# Altium PCB CM_PCB.PcbDoc (part 5 of 7)
Units mil, origin at the board's own origin, x right, y up, seen from the top; angles counter-clockwise.
Board outline 6478 x 5255 mil, 14 copper layers (Top Layer, GND1, HS1, GND2, DIFF_SE1, GND3, POWER1, POWER2, GND4, DIFF_SE2, GND5, HS2, GND6, Bottom Layer), stack 76.1 mil thick; 327 components, 386 nets, 2198 pads, 830 vias.
Unrouted connection lines stored in the file: 392.
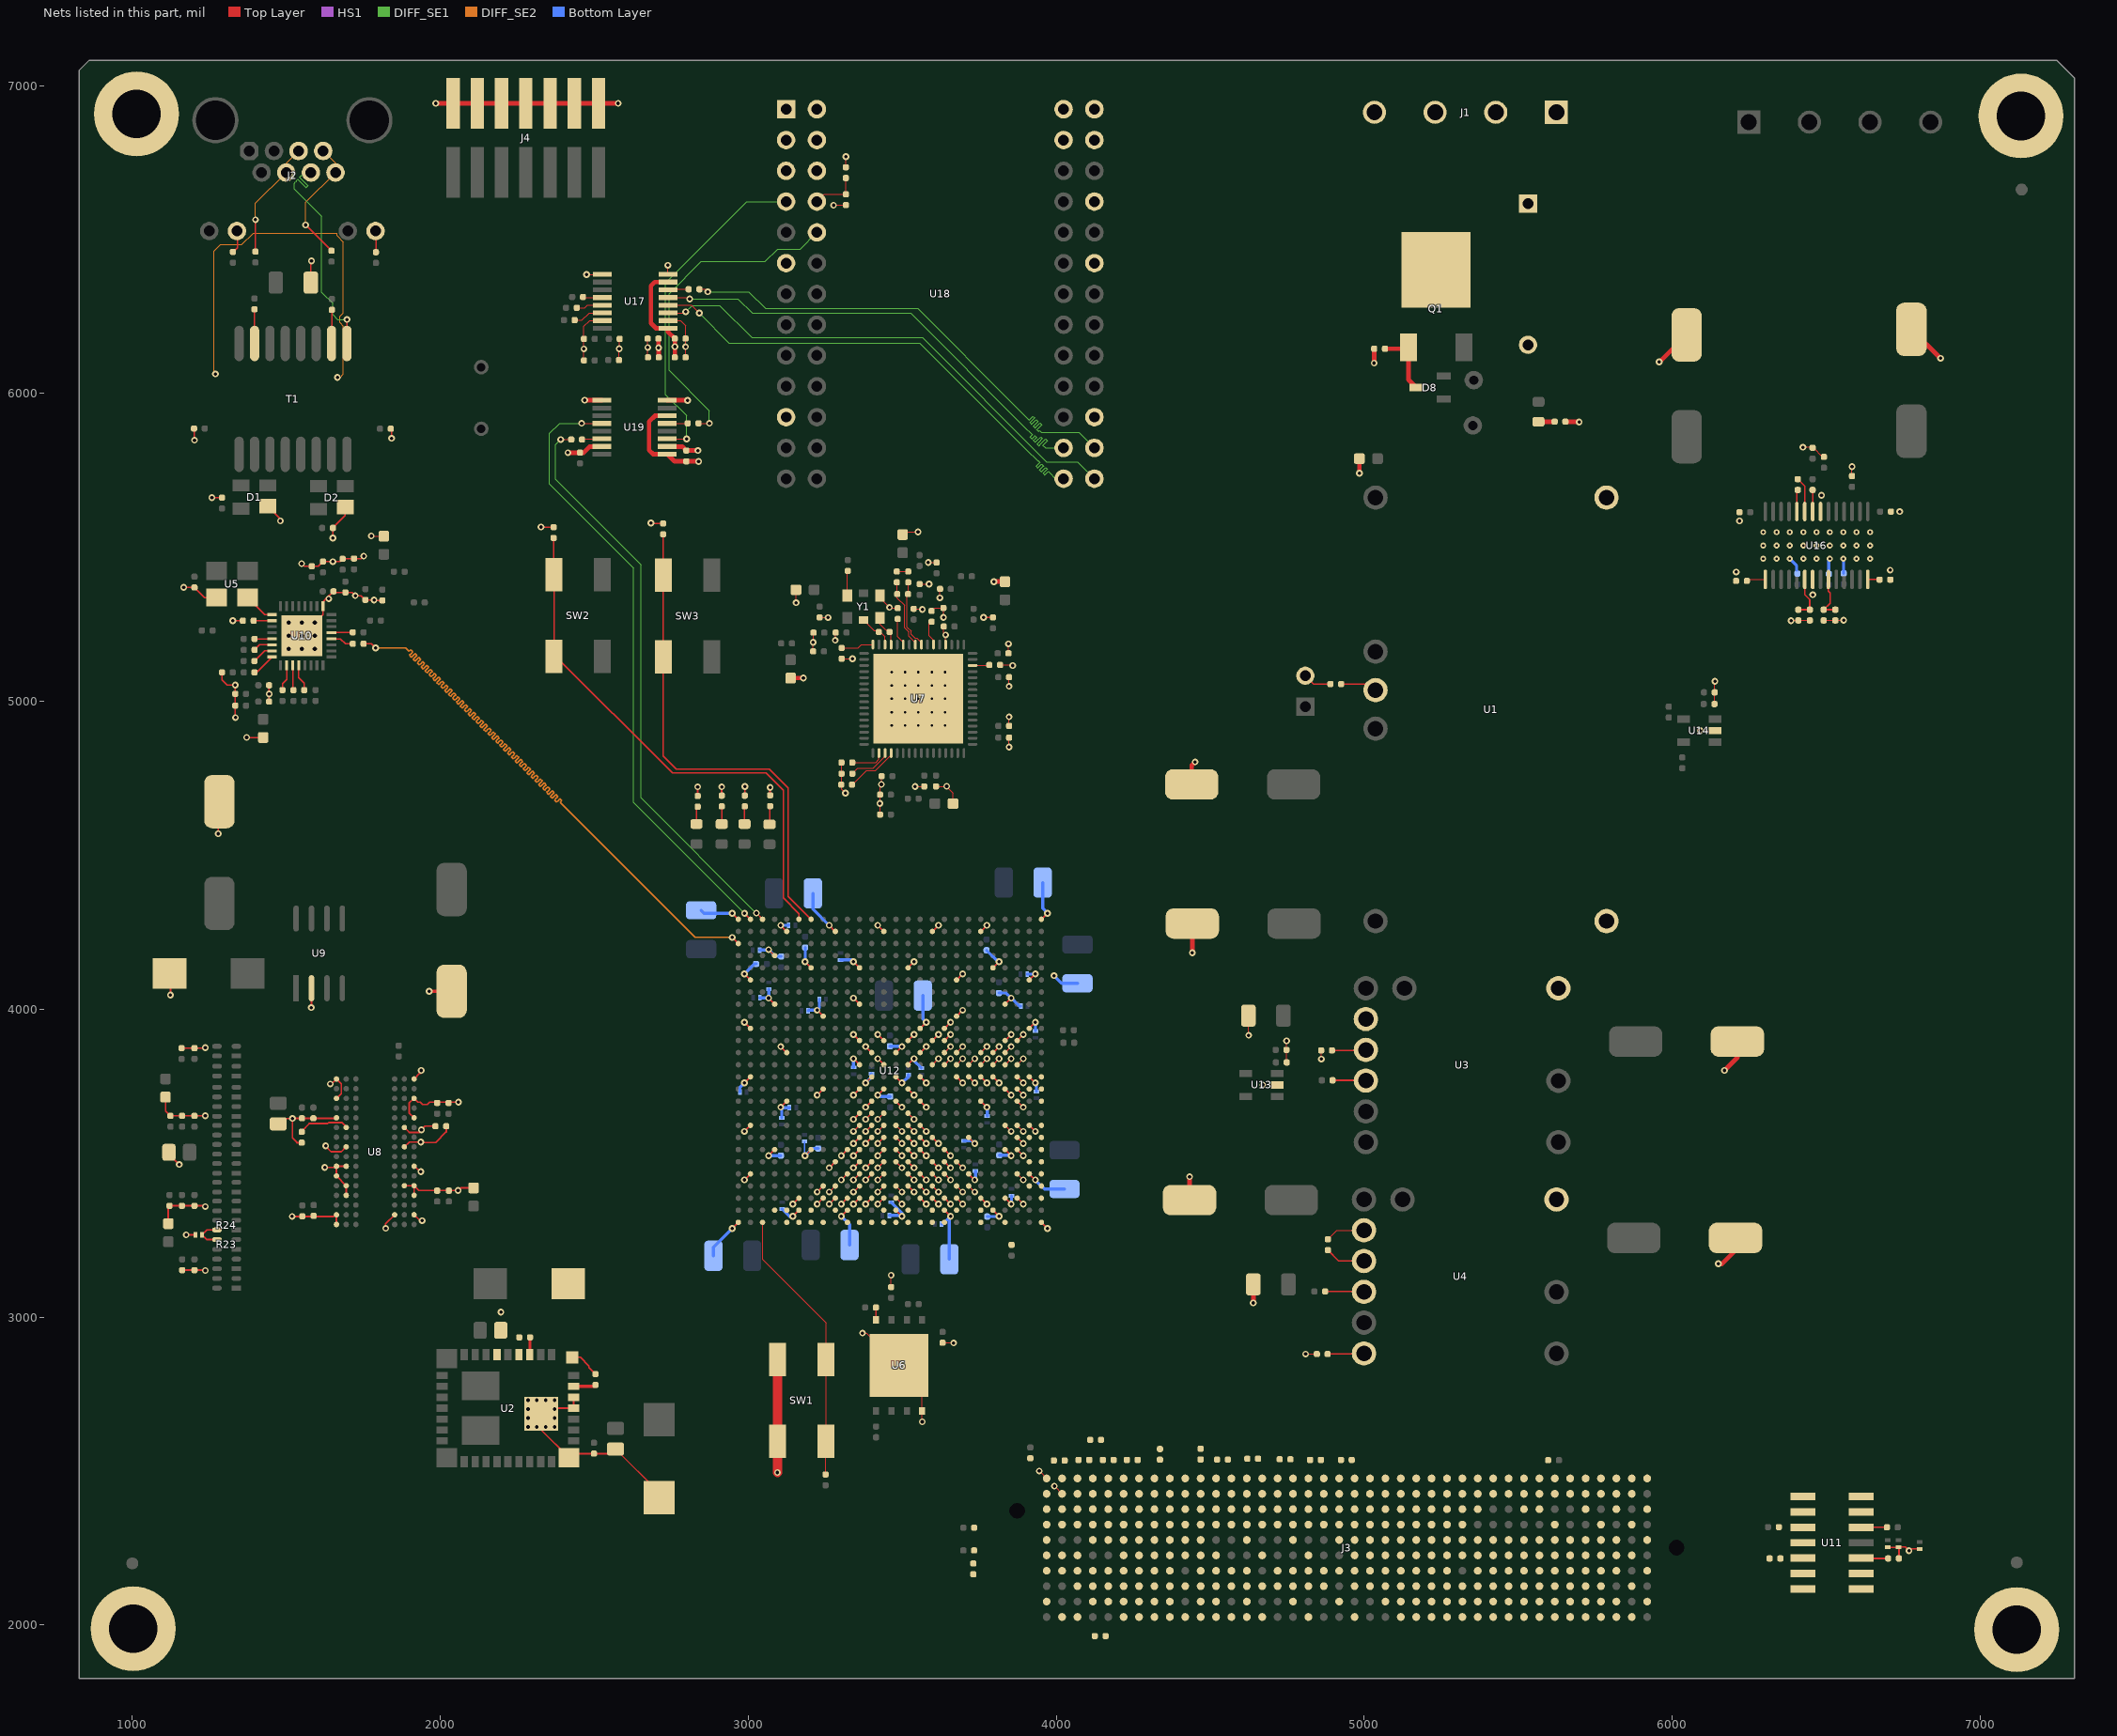
[diagram p17: the nets of this part, all layers, seen from the top]

## Via types
v1: diameter 22, hole 11, Top Layer to Bottom Layer, 627 vias
v2: diameter 22, hole 11, Top Layer to Bottom Layer, tented top, 139 vias
v3: diameter 19.68, hole 7.87, Top Layer to Bottom Layer, tented top, 27 vias
v4: diameter 19.68, hole 7.87, Top Layer to Bottom Layer, 25 vias
v5: diameter 19.68, hole 11.81, Top Layer to Bottom Layer, 12 vias

## Nets (pads, with @x,y where several pads share a name; then routed paths per layer and width w, separated by ;. In a path a pad name is that pad's centre, name@x,y a point inside that pad or via, vN(x,y) a via of type N, cw(c..) or ccw(c..) an arc to the next point about the centre after c; other vN are vias at no path point) (continued)
FPGA_RS232_RXD: U12.A2 U19.12 | length 2031.8
  Top Layer w3: v1(2459,5903) 2459.5,5902.5 U19.12@2524.7,5902.5
  Top Layer w5.5: v1(2988.11,4311) U12.A2@3007.19,4291.92
  DIFF_SE1 w3: v1(2459,5903) 2388,5903 2355,5870 2355,5706 2628,5433 2628,4671.11 v1(2988.11,4311)
FPGA_RS232_TXD: R124.2 U12.A3 | length 1877.4
  Top Layer w3: v1(2391,5850) R124.2@2425.5,5850
  Top Layer w5.5: v1(3026.48,4312) U12.A3@3046.56,4291.92
  DIFF_SE1 w3: v1(2391,5850) 2375,5834 2375,5721 2652,5444 2652,4686.48 v1(3026.48,4312)
FTDI_3V3: C167.2 C168.2 C169.2 C170.2 C171.2 U17.1 U17.7 U18.CN2-1 U18.CN2-3 U18.CN2-5 U18.CN2-11 U18.CN2-21 U18.CN3-12 U18.CN3-22 U19.1 U19.6 | length 744.1
  Top Layer w15: C169.2@2708.5,6178 2708.5,6148.5 v1(2709,6148) C168.2@2709,6117.5 ; U19.6@2737.3,5927.5 2697.5,5927.5 2678,5908 2678,5816 2691.5,5802.5 U19.1@2737.3,5802.5 2760.3,5779.5 C167.2@2799,5779.5 2838.5,5779.5 v1(2839,5779) ; U17.7@2739.3,6361.5 2696.5,6361.5 2684,6349 2684,6228 2700.5,6211.5 U17.1@2739.3,6211.5 2739.3,6200.2 C171.2@2761.5,6178 2762,6177.5 v1(2762,6152) 2762,6117.5 C170.2@2761.5,6117
FTDI_5V0: R123.1 U18.CN3-1 U18.CN3-3 | length 34.5
  Top Layer w3: R123.1@3317,6734.5 v1(3317,6769)
FTDI_GND: C167.1 C168.1 C169.1 C170.1 C171.1 R126.1 U17.2 U17.8 U18.CN2-2 U18.CN2-4 U18.CN2-6 U18.CN3-2 U18.CN3-4 U18.CN3-8 U19.2 U19.8 | length 467.8
  Top Layer w3: C169.1@2673.5,6178 2673.5,6149.5 v1(2674,6149) C168.1@2674,6117.5 ; v1(2739,6416) 2739.3,6415.7 U17.8@2739.3,6386.5 ; U17.2@2739.3,6236.5 2779.5,6236.5 2796.5,6219.5 C171.1@2796.5,6178 v1(2796.5,6151.5) C170.1@2796.5,6117 ; v1(3277,6611) 3277.5,6611.5 R126.1@3317,6611.5
  Top Layer w15: U19.2@2737.3,5827.5 2786,5827.5 C167.1@2799,5814.5 v1(2836.5,5814.5) ; U19.8@2737.3,5977.5 2802.5,5977.5 v1(2803,5977)
FTDI_JTAG_TCK: U17.3 U18.CN3-26 | length 1628.2
  Top Layer w3: U17.3@2739.3,6261.5 2793.5,6261.5 v1(2797,6265)
  DIFF_SE1 w3: v1(2797,6265) 2818,6286 2907,6286 3012,6181 3566,6181 3969,5778 4069.18,5778 U18.CN3-26@4124.18,5723
FTDI_JTAG_TDI: U17.4 U18.CN3-25 | length 1629.5
  Top Layer w3: U17.4@2739.3,6286.5 2815.5,6286.5 v1(2841,6261)
  DIFF_SE1 w3: v1(2841,6261) 2938,6164 3557,6164 3902,5819 3940.73,5780.27 3941.79,5781.33 3947.45,5775.67 3946.39,5774.61 3934.68,5762.91 3940.34,5757.25 3952.04,5768.96 3953.1,5770.02 3958.76,5764.36 3957.7,5763.3 3946,5751.59 3951.65,5745.94 3963.36,5757.64 3965.44,5759.73 3971.1,5754.07 3969.01,5751.99 3957.31,5740.28 3962.97,5734.62 3974.67,5746.33 3977.5,5743.5 3998,5723 U18.CN3-25@4024.18,5723
FTDI_JTAG_TDO: R122.1 U18.CN3-24 | length 1628.2
  Top Layer w3: R122.1@2841.5,6338 2861,6338 v1(2869,6330)
  DIFF_SE1 w3: v1(2869,6330) 3002,6330 3056,6276 3550,6276 3860.5,5965.5 3912.23,5913.77 3924.49,5926.03 3930.14,5920.37 3917.89,5908.11 3914.56,5904.79 3920.22,5899.13 3923.54,5902.46 3935.8,5914.71 3941.46,5909.06 3929.2,5896.8 3925.87,5893.47 3931.53,5887.82 3934.86,5891.14 3947.11,5903.4 3952.77,5897.74 3940.51,5885.49 3937.19,5882.16 3942.84,5876.5 3946.17,5879.83 3949,5877 3952,5874 4073.18,5874 U18.CN3-24@4124.18,5823
FTDI_JTAG_TMS: U17.5 U18.CN3-23 | length 1628.2
  Top Layer w3: U17.5@2739.3,6311.5 2805.5,6311.5 v1(2810,6307)
  DIFF_SE1 w3: v1(2810,6307) 2967,6307 3013,6261 3527,6261 3894.5,5893.5 3922.57,5865.43 3915.22,5858.07 3920.87,5852.41 3928.23,5859.77 3930.88,5862.41 3936.53,5856.76 3933.89,5854.11 3926.53,5846.76 3932.19,5841.1 3939.54,5848.46 3949.9,5858.81 3955.55,5853.15 3945.2,5842.8 3937.84,5835.44 3943.5,5829.79 3950.86,5837.14 3965.64,5851.93 3971.3,5846.27 3956.51,5831.49 3962.17,5825.83 3965,5823 U18.CN3-23@4024.18,5823
FTDI_RS232_RXD: R125.1 U18.CN2-10 | length 1072.6
  Top Layer w3: R125.1@2838.5,5903 v1(2874,5903)
  DIFF_SE1 w3: v1(2874,5903) 2874,5944 2743,6075 2743,6323 2848,6428 3055,6428 3096,6469 3169,6469 U18.CN2-10@3223,6523
FTDI_RS232_TXD: U18.CN2-7 U19.3 | length 1098.4
  Top Layer w3: U19.3@2737.3,5852.5 2799.5,5852.5 v1(2800,5852)
  DIFF_SE1 w3: v1(2800,5852) 2800,5928 2732,5996 2732,6359 2996,6623 U18.CN2-7@3123,6623
GND: C1.1 C2.1 C3.1 C4.1 C5.2 C6.2 C7.2 C8.1 C9.2 C10.1 C11.2 C12.1 C13.1 C14.1 C15.1 C16.1 C17.1 C18.1 C19.1 C20.1 C21.1 C22.1 C23.1 C24.1 C25.1 C26.1 C28.1 C29.1 C30.1 C31.1 C32.1 C33.1 C34.1 C35.1 C36.1 C37.1 C38.1 C39.1 C40.1 C41.1 C42.1 C43.1 C44.1 C45.1 C46.1 C47.1 C60.1 C61.1 C62.1 C63.1 C66.1 C67.1 C68.1 C69.1 C72.1 C74.1 C75.1 C76.2 C77.2 C78.1 C79.1 C80.1 C81.1 C82.1 C83.1 C84.1 C85.1 C86.1 C87.1 C88.1 C89.1 C90.1 C91.1 C92.1 C93.1 C94.1 C96.1 C97.1 C98.1 C100.1 C101.1 C102.1 C103.1 C104.1 C105.1 C106.1 C107.1 C108.1 C109.1 C110.1 C111.1 C112.1 C113.1 C114.1 C115.1 C116.1 C117.1 C118.1 C119.1 C120.1 C121.1 C122.1 C123.1 C124.1 C125.1 C126.1 C127.1 C128.1 C129.1 C130.1 C131.1 C132.1 C133.1 C134.1 C135.1 C136.1 C137.1 C138.1 C139.1 C140.1 C141.1 C142.1 C143.1 C144.1 C145.1 C146.1 C147.1 C148.1 C149.1 C150.1 C151.1 C152.1 C153.1 C154.1 C155.2 C156.1 C157.2 C158.1 C159.1 C160.1 C161.1 C164.1 C165.2 C166.2 C172.1 C173.1 C174.1 C175.1 C176.1 C177.1 C178.1 C179.1 C180.1 C181.1 C182.1 C183.1 C184.1 C185.1 D1.1 D2.1 F2.2 J1.3 J1.4 J3.a1 J3.a4 J3.a5 J3.a8 J3.a9 J3.a12 J3.a13 J3.a16 J3.a17 J3.a20 J3.a21 J3.a24 J3.a25 J3.a28 J3.a29 J3.a32 J3.a33 J3.a36 J3.a37 J3.a40 J3.b2 J3.b3 J3.b6 J3.b7 J3.b10 J3.b11 J3.b14 J3.b15 J3.b18 J3.b19 J3.b22 J3.b23 J3.b26 J3.b27 J3.b30 J3.b31 J3.b34 J3.b35 J3.b38 J3.b39 J3.c1 J3.c4 J3.c5 J3.c8 J3.c9 J3.c12 J3.c13 J3.c16 J3.c17 J3.c20 J3.c21 J3.c24 J3.c25 J3.c28 J3.c29 J3.c32 J3.c33 J3.c36 J3.c38 J3.c40 J3.d2 J3.d3 J3.d6 J3.d7 J3.d10 J3.d13 J3.d16 J3.d19 J3.d22 J3.d25 J3.d28 J3.d37 J3.d39 J3.e1 J3.e4 J3.e5 J3.e8 J3.e11 J3.e14 J3.e17 J3.e20 J3.e23 J3.e26 J3.e29 J3.e32 J3.e35 J3.e38 J3.e40 J3.f2 J3.f3 J3.f6 J3.f9 J3.f12 J3.f15 J3.f18 J3.f21 J3.f24 J3.f27 J3.f30 J3.f33 J3.f36 J3.f39 J3.g1 J3.g4 J3.g5 J3.g8 J3.g11 J3.g14 J3.g17 J3.g20 J3.g23 J3.g26 J3.g29 J3.g32 J3.g35 J3.g38 J3.g40 J3.h3 J3.h6 J3.h9 J3.h12 J3.h15 J3.h18 J3.h21 J3.h24 J3.h27 J3.h30 J3.h33 J3.h36 J3.h39 J3.j1 J3.j4 J3.j5 J3.j8 J3.j11 J3.j14 J3.j17 J3.j20 J3.j23 J3.j26 J3.j29 J3.j32 J3.j35 J3.j38 J3.j40 J3.k2 J3.k3 J3.k6 J3.k9 J3.k12 J3.k15 J3.k18 J3.k21 J3.k24 J3.k27 J3.k30 J3.k33 J3.k36 J3.k39 J4.A01 J4.A02 J4.A03 J4.A04 J4.A05 J4.A06 J4.A07 MH3.1 MH7.1 MH8.1 R1.1 R3.1 R6.1 R7.1 R8.1 R11.1 R12.1 R16.2 R17.2 R18.2 R20.1 R44.1 R47.1 R73.1 R77.1 R87.1 R88.1 R103.1 R104.1 R105.1 R109.1 R110.1 R111.1 R112.1 R113.1 R114.1 R115.2 R116.1 R117.1 R118.2 SW1.1 SW1.4 U1.1 U1.7 U2.1 U2.5 U2.7 U2.29 U2.33 U2.34 U2.37 U3.3 U3.6 U4.3 U4.6 U5.2 U6.0 U6.4 U7.36 U7.PAD U8.A9 U8.B1 U8.B3 U8.B9 U8.D1 U8.D8 U8.E1 U8.E2 U8.E8 U8.F9 U8.G1 U8.G8 U8.G9 U8.J2 U8.J8 U8.M1 U8.M9 U8.P1 U8.P9 U8.T1 U8.T9 U9.2 U10.1 U10.33 U10.34 U10.35 U10.36 U10.37 U10.38 U10.39 U10.40 U10.41 U10.42 U11.11 U12.A1 U12.A26 U12.AB2 U12.AB12 U12.AB16 U12.AB20 U12.AB25 U12.AC8 U12.AD16 U12.AD23 U12.AE6 U12.AE10 U12.AE14 U12.AE18 U12.AE22 U12.AF1 U12.AF26 U12.B5 U12.B9 U12.B13 U12.B17 U12.B21 U12.D4 U12.E7 U12.E11 U12.E15 U12.E22 U12.F2 U12.F19 U12.F25 U12.H4 U12.H11 U12.H23 U12.J8 U12.J19 U12.K2 U12.K16 U12.K25 U12.L11 U12.L13 U12.L15 U12.M5 U12.M12 U12.M14 U12.M16 U12.M22 U12.N11 U12.N13 U12.N15 U12.P2 U12.P12 U12.P14 U12.P16 U12.P19 U12.P25 U12.R8 U12.R11 U12.R13 U12.R15 U12.T5 U12.T12 U12.T14 U12.T16 U12.T21 U12.U11 U12.V2 U12.V25 U12.W15 U12.W20 U12.Y4 U12.Y7 U12.Y11 U12.Y23 U13.2 U14.2 U16.7 U16.21 U17.9 U17.15 U19.9 U19.15 Y1.3 | length 15932.4
  Top Layer w3: v1(1776,5537) 1776.5,5536.5 C79.1@1817,5536.5 ; C174.1@2466.5,6107 v1(2466.5,6144.5) C176.1@2466.5,6177 2466.5,6217.5 2485.5,6236.5 U17.15@2526.7,6236.5 ; v1(2475,6386) 2475.5,6386.5 U17.9@2526.7,6386.5 ; C173.1@2580.5,6108 2580.5,6144.5 v1(2581,6145) 2582.5,6146.5 C175.1@2582.5,6177 ; v1(3095,2495) v1@3095.26,2495.26 ; C44.1@3155,5362 3155,5320.5 v1(3155.5,5320) ; C33.1@3211,5162 v1(3211,5191.5) ; v1@3212,5192.5 C34.1@3212,5223 ; C43.1@3231.5,5272.5 3259,5272.5 v1(3259.5,5272) ; v1(3282.5,5198) 3284,5199.5 C32.1@3284,5223 ; R17.2@3303,4801 R16.2@3303,4765 3303,4714.5 v1(3315.5,4702) ; C45.1@3303.5,5138.5 3338,5138.5 v1(3338.5,5138) ; v1(3371,2948) 3385,2948 U6.0@3490,2843 3565,2768 U6.4@3565,2695.36 v1(3565,2660) ; Y1.3@3427.8,5343.31 3427.8,5335.7 v1(3458.5,5305) 3461,5302.5 R18.2@3485.5,5302.5 ; C38.1@3428,4632 3428,4667.5 v1(3427.5,4668) 3428,4668.5 C37.1@3428,4697 v1@3428,4725.5 ; v1(3432.5,4730) 3433,4730.5 C36.1@3433,4757 ; R113.1@3464,3097.5 v1(3464,3136) ; C39.1@3501.5,5533.5 3518,5550 v1(3551.5,5550) ; C40.1@3537.5,5300.5 3563,5300.5 v1(3565.5,5298) ; v1(3542,4723.5) C20.1@3571.5,4723.5 ; C41.1@3556.5,5380.5 v1(3587,5380.5) ; v1(3584.5,5451) 3585,5450.5 C42.1@3611.5,5450.5 ; C47.1@3595.5,5293.5 3605,5303 C29.1@3634,5303 v1(3634,5272.5) v1@3633,5273.5 ; C21.1@3609.5,4723.5 3644,4723.5 3665,4702.5 C35.1@3665,4668 ; v1(3622.5,5336) 3623,5336.5 C30.1@3623,5365 ; C153.1@3631,2916.5 3666.5,2916.5 v1(3667,2916) ; C28.1@3634,5243 3634,5222.67 v1(3641.08,5215.58) U7.36@3641.08,5184.18 ; R20.1@3818,5118 3856.5,5118 v1(3858.5,5116) ; C24.1@3845,5156 v1(3845,5186.5) ; v1(3847,4851.5) C22.1@3847,4882 ; C23.1@3847,4920 v1(3847,4949.5) ; v1(3847,5048.5) C25.1@3847,5078 ; v1(3945,2500) J3.a1@3969,2476 ; v1(3994,2451) J3.b2@4019,2426 ; C8.1@4624,3979 4624,3916 v1(4625,3915) ; v1(4671,3754) U13.2@4718.18,3754 ; v1(4748,3897) 4748,3896 4747.5,3895.5 C150.1@4747.5,3868 4748.5,3867 C149.1@4748.5,3827 ; v1(4810,2880) R6.1@4846.5,2880 ; R7.1@4860.5,3866 4860.5,3838.5 v1(4861,3838) ; R8.1@4882,3252.5 4911.42,3281.92 U4.6@4999.4,3281.92 ; v1(6091,4905) U14.2@6139.18,4905 ; C151.1@6138.5,4993 6138.5,5064.5 v1(6139,5065) ; v1@6207.5,5419.5 v1(6208,5420) ; v1(6386,5262) 6386.5,5262.5 R116.1@6410,5262.5 C165.2@6447,5262.5 ; v1(6425,5825) 6425.5,5825.5 6456,5825.5 6489,5792.5 C160.1@6494,5792.5 ; v1@6456.2,5345.2 v1(6457,5346) ; v1@6481.8,5665.8 v1(6485,5669) ; R117.1@6492,5262.5 C166.2@6530,5262.5 6556.5,5262.5 v1(6557,5263) ; R114.1@6584,5731.5 v1(6584,5762) ; v1(6708,5426) v1@6708.5,5425.5
  Top Layer w4: v1(1167,5370) 1166.5,5369.5 C98.1@1202,5369.5 1234.32,5337.18 U5.2@1273.94,5337.18 ; C93.1@1200.5,5886 1202,5884.5 v1(1202,5848) ; v1(1258.5,5661.5) C96.1@1291,5661.5 ; R73.1@1291,5094 1291,5070 1308.5,5052.5 v1(1334.5,5052.5) C86.1@1334.5,5024 C85.1@1334.5,4986 1334.5,4947.5 v1(1335,4947) ; v1(1326.2,5261.8) R77.1@1358.94,5261.8 ; v1(1371.5,4882.5) C84.1@1425,4882.5 ; D1.1@1440.25,5633.37 1481,5592.63 v1(1481,5586) ; C87.1@1444.5,4999 v1(1444.5,5024) C88.1@1444.5,5052 ; v1(1550,5447) 1558.5,5438.5 C83.1@1583,5438.5 1604,5438.5 C82.1@1619,5453.5 v1(1651.5,5453.5) 1674,5453.5 C81.1@1683,5462.5 C80.1@1719,5462.5 ; U10.33@1550.44,5212.8 U10.34@1592.57,5254.92 1619.34,5281.69 U10.1@1619.34,5309.25 1619.34,5322.84 v1@1633.75,5337.25 ; v1(1638,5333) v1@1633.75,5337.25 ; v2(1643,3757) v2@1646.8,3757 ; v1(1651.5,5530.5) C97.1@1651.5,5563 1691.25,5602.75 D2.1@1691.25,5631.37 ; U8.A9@1658.22,3300.78 U8.A9@1663.02,3300.78 ; U8.B9@1659.28,3332.28 U8.B9@1663.02,3332.28 ; U8.D8@1693,3396.78 U8.D8@1694.51,3398.29 ; C80.1@1720,5463.5 1743.5,5463.5 v1(1751.5,5471.5) ; v1@1784.5,5329.5 C90.1@1757,5329.5 1743.5,5343 v1(1724,5343) 1713.5,5353.5 C91.1@1692,5353.5 1650,5353.5 v1@1633.75,5337.25 ; v1@1786.5,5327.5 C89.1@1812,5327.5 ; C94.1@1839.5,5885 1842,5882.5 v1(1842,5854) ; U8.B1@1914.98,3332.28 U8.B1@1917.28,3332.28 ; U8.D1@1914.98,3395.27 U8.D1@1921.27,3395.27 ; U8.G1@1914.98,3488 U8.G1@1914.98,3489.76 U8.G1@1917.24,3489.76 ; v1(2948.13,3287.98) U12.AF1@2967.82,3307.67 ; v1(2948.13,4311.61) U12.A1@2967.82,4291.92 ; v1(2987.5,3445.46) U12.AB2@3007.19,3465.15 ; v1(2987.5,3602.94) U12.V2@3007.19,3622.63 ; v1(2987.5,3760.42) U12.P2@3007.19,3780.11 ; v1(2987.5,3957.28) U12.K2@3007.19,3937.59 ; v1(2987.5,4114.76) U12.F2@3007.19,4095.07 ; v1(3066.24,3524.2) U12.Y4@3085.93,3543.89 ; v1(3066.24,4036.02) U12.H4@3085.93,4016.33 ; v1(3066.24,4193.5) U12.D4@3085.93,4173.81 ; v1(3105.61,3681.68) U12.T5@3125.3,3701.37 ; v1(3105.61,3878.54) U12.M5@3125.3,3858.85 ; v1(3105.61,4272.24) U12.B5@3125.3,4252.55 ; v1(3144.98,3327.35) U12.AE6@3164.67,3347.04 ; v1(3184.35,3524.2) U12.Y7@3204.04,3543.89 ; v1(3184.35,4154.13) U12.E7@3204.04,4134.44 ; v1(3223.72,3406.09) U12.AC8@3243.41,3425.78 ; v1(3223.72,3721.05) U12.R8@3243.41,3740.74 ; v1(3223.72,3996.65) U12.J8@3243.41,3976.96 ; v1(3263.09,4272.24) U12.B9@3282.78,4252.55 ; v1(3302.46,3327.35) U12.AE10@3322.15,3347.04 ; v1(3341.83,3524.2) U12.Y11@3361.52,3543.89 ; v1(3341.83,3642.31) U12.U11@3361.52,3662 ; v1(3341.83,3721.05) U12.R11@3361.52,3740.74 ; v1(3341.83,3839.17) U12.N11@3361.52,3819.48 ; v1(3341.83,3917.91) U12.L11@3361.52,3898.22 ; v1(3341.83,4036.02) U12.H11@3361.52,4016.33 ; v1(3341.83,4154.13) U12.E11@3361.52,4134.44 ; v1(3381.2,3445.46) U12.AB12@3400.89,3465.15 ; v1(3381.2,3681.68) U12.T12@3400.89,3701.37 ; v1(3381.2,3760.42) U12.P12@3400.89,3780.11 ; v1(3381.2,3878.54) U12.M12@3400.89,3858.85 ; v1(3420.57,3721.05) U12.R13@3440.26,3740.74 ; v1(3420.57,3839.17) U12.N13@3440.26,3819.48 ; v1(3420.57,3917.91) U12.L13@3440.26,3898.22 ; v1(3420.57,4272.24) U12.B13@3440.26,4252.55 ; U12.AE14@3479.63,3347.04 v1(3499.32,3327.35) ; U12.T14@3479.63,3701.37 v1(3499.32,3681.68) ; U12.P14@3479.63,3780.11 v1(3499.32,3760.42) ; U12.M14@3479.63,3858.85 v1(3499.32,3878.54) ; U12.W15@3519,3583.26 v1(3538.69,3563.57) ; U12.R15@3519,3740.74 v1(3538.69,3721.05) ; U12.N15@3519,3819.48 v1(3538.69,3839.17) ; U12.L15@3519,3898.22 v1(3538.69,3917.91) ; U12.E15@3519,4134.44 v1(3538.69,4154.13) ; U12.AD16@3558.37,3386.41 v1(3578.06,3366.72) ; U12.AB16@3558.37,3465.15 v1(3578.06,3445.46) ; U12.T16@3558.37,3701.37 v1(3578.06,3681.68) ; U12.P16@3558.37,3780.11 v1(3578.06,3760.42) ; U12.M16@3558.37,3858.85 v1(3578.06,3878.54) ; U12.K16@3558.37,3937.59 v1(3578.06,3957.28) ; U12.B17@3597.74,4252.55 v1(3617.43,4272.24) ; U12.AE18@3637.11,3347.04 v1(3656.8,3327.35) ; U12.P19@3676.48,3780.11 v1(3696.17,3760.42) ; U12.J19@3676.48,3976.96 v1(3696.17,3996.65) ; U12.F19@3676.48,4095.07 v1(3696.17,4114.76) ; U12.AB20@3715.85,3465.15 v1(3735.54,3445.46) ; U12.W20@3715.85,3583.26 v1(3735.54,3563.57) ; U12.T21@3755.22,3701.37 v1(3774.91,3681.68) ; U12.B21@3755.22,4252.55 v1(3774.91,4272.24) ; U12.AE22@3794.59,3347.04 v1(3814.28,3327.35) ; U12.M22@3794.59,3858.85 v1(3814.28,3878.54) ; U12.E22@3794.59,4134.44 v1(3814.28,4154.13) ; U12.AD23@3833.96,3386.41 v1(3853.65,3366.72) ; U12.Y23@3833.96,3543.89 v1(3853.65,3524.2) ; U12.H23@3833.96,4016.33 v1(3853.65,4036.02) ; U12.AB25@3912.7,3465.15 v1(3932.39,3445.46) ; U12.V25@3912.7,3622.63 v1(3932.39,3602.94) ; U12.P25@3912.7,3780.11 v1(3932.39,3760.42) ; U12.K25@3912.7,3937.59 v1(3932.39,3957.28) ; U12.F25@3912.7,4095.07 v1(3932.39,4114.76) ; U12.AF26@3952.07,3307.67 v1(3971.76,3287.98) ; U12.A26@3952.07,4291.92 v1(3971.76,4311.61)
  Top Layer w5: C74.1@1474,3627.5 1491.5,3645 v2(1520,3645) ; F2.2@4809,5083 4836,5056 R3.1@4890.5,5056 ; v1@6218.5,5586.5 v1(6219,5586) ; C100.1@6700,2253 6701.5,2251.5 6736.5,2251.5 R88.1@6736.5,2216 ; C101.1@6735,2253 6757,2253 v1(6769,2241) 6775,2247 C102.1@6804,2247
  Top Layer w5.5: C16.1@1108,3714.5 1108,3669.5 C177.1@1124,3653.5 C180.1@1162,3653.5 C184.1@1202,3653.5 1236.5,3653.5 v2(1237,3654) ; C17.1@1117,3303.5 1117,3357.5 C18.1@1121,3361.5 C179.1@1161,3361.5 C183.1@1202,3361.5 1234.5,3361.5 v2(1237,3359) ; C15.1@1119,3535 1119,3529 v2(1152.5,3495.5) ; C14.1@1121.23,4116 1124,4113.23 v2(1124,4046) ; C181.1@1160,3873.5 C185.1@1202,3873.5 1235.5,3873.5 v2(1237,3875) ; C178.1@1162,3152.5 C182.1@1202,3152.5 1235.5,3152.5 v2(1237,3151) ; v2(1175,3267) C75.1@1205,3267 ; v2(1279,4570) 1279,4670 C77.2@1283,4674 ; v2(1519,3327) 1654,3327 U8.B9@1659.28,3332.28 ; R44.1@1550,3566.5 1535,3566.5 1520,3581.5 v2(1520,3645) 1660.78,3645 U8.M9@1663.02,3647.24 ; v2(1581,4005) 1582,4006 U9.2@1582,4068 ; v2(1625,3486) 1656.77,3486 1661.77,3491 U8.G9@1663.02,3489.76 ; v2(1628,3556) 1628,3554 1645,3537 1678.76,3537 U8.J8@1694.51,3552.75 ; v2@1646.8,3757 U8.T9@1663.02,3773.22 1678.9,3757.33 1678.9,3726.12 U8.P9@1663.02,3710.23 ; U8.A9@1663.02,3300.78 U8.B9@1663.02,3332.28 ; U8.D8@1694.51,3398.29 U8.E8@1694.51,3426.76 U8.F9@1663.02,3458.26 U8.G9@1663.02,3489.76 ; U8.G8@1694.51,3489.76 U8.G9@1663.02,3489.76 ; v2@1822,3288 1822,3302.28 U8.B3@1851.99,3332.28 ; U8.E2@1883.49,3426.76 U8.E1@1914.98,3426.76 ; U8.J2@1883.49,3552.75 1899.38,3568.64 1936.36,3568.64 1938,3567 1985,3567 2019.5,3601.5 R47.1@2019.5,3620 ; U8.B1@1914.98,3332.28 1934.26,3313 v2(1941,3313) ; U8.D1@1914.98,3395.27 U8.E1@1914.98,3426.76 ; U8.M1@1914.98,3647.24 1899.1,3663.12 1899.1,3694.34 U8.P1@1914.98,3710.23 1927.21,3698 1934.9,3698 1942.65,3690.25 1957.35,3690.25 1965.1,3698 v2(2059,3698) ; U8.T1@1914.98,3773.22 1934,3792.24 v2@1938,3792.24 ; U8.G1@1917.24,3489.76 v2@1935,3472 ; C72.1@2108,3419.5 2066.5,3419.5 v2(2058,3411) 1930.75,3411 U8.E1@1914.98,3426.76 ; U2.5@2255.15,2878.3 U2.5@2258,2881.15 ; v1(2327,5566) 2327.5,5565.5 R104.1@2368,5565.5 ; U2.1@2428.38,2869.44 2454.81,2869.44 2483,2841.25 2483,2835.5 R12.1@2504,2814.5 ; U2.34@2433.3,2739.52 U2.33@2433.3,2704.09 2345.7,2704.09 U2.37@2327.98,2686.37 2327.98,2633.22 U2.29@2418.54,2542.67 2432.37,2556.5 C3.1@2499,2556.5 2554,2556.5 C2.1@2569,2571.5 2711,2429.5 C1.1@2711,2413.23 ; v1(2684,5579) 2685.5,5577.5 R105.1@2724,5577.5 ; R109.1@2836,4692.5 v1(2836,4722) ; R110.1@2914,4693.5 v1(2914,4722) ; R111.1@2989,4693.5 v1(2989,4723) ; R112.1@3071,4694.5 v1(3071,4720) ; v1(3764,5272.5) C26.1@3794.5,5272.5 ; C24.1@3845,5156 C24.1@3845.5,5156
  Top Layer w11: v2(1964,4058) C76.2@2037,4058
  Top Layer w15: v1(1985.2,6942.2) J4.A07@2041.78,6942.2 J4.A06@2120.52,6942.2 J4.A05@2199.26,6942.2 J4.A04@2278,6942.2 J4.A03@2356.74,6942.2 J4.A02@2435.48,6942.2 J4.A01@2514.22,6942.2 v1(2577.8,6942.2) ; v1(2414.5,5807.5) C172.1@2454,5807.5 2465.5,5807.5 2485.5,5827.5 U19.15@2524.7,5827.5 ; v1(2469,5978) 2469.5,5977.5 U19.9@2524.7,5977.5 ; C31.1@3137.5,5075.5 v1(3179,5075.5) ; v1(3797.5,5388) 3798,5388.5 C19.1@3833.5,5388.5 ; C11.2@4433,3380 v1(4433,3456) ; C5.2@4440,4730 4440,4792 v1(4451,4803) ; v1(4442,4183) C9.2@4442,4278 ; v1(4640,3046) C10.1@4640,3106 ; v1(4984.5,5740.5) C4.1@4984.5,5788 ; v1(5032.5,6098.5) R1.1@5032.5,6145 ; R103.1@5653.5,5908 5697,5908 v1(5698,5907) ; v1(5958,6102) 5959,6102 C155.2@6047,6190 ; v1(6150,3173) 6162,3173 6206,3217 C7.2@6206,3257 ; v1(6170,3801) 6212,3843 C6.2@6212,3895 ; C157.2@6777,6208 6871,6114 v1(6872,6114)
  Top Layer w30: v1@3095.26,2495.26 SW1.1@3095.26,2596.13 SW1.4@3095.26,2861.87
  HS1 w3: v1@3991,2451 v1(3994,2451)
  DIFF_SE2 w3: v1(1270,6063) 1264.65,6068.35 1264.65,6461.65 1286,6483 1355.75,6483 1393.05,6520.3 1664.44,6520.3 1664.44,6512.59 1685,6492.04 1685,6261.34 1673.44,6249.79 1673.44,6230.32 1685,6218.77 1685,6062 1675,6052 v1(1666,6052)
  Bottom Layer w5: v1@3183,3525.56 C78.1@3183,3570
  Bottom Layer w10: C130.1@2847,4320.99 2856.38,4311.61 v1(2948.13,4311.61) ; C122.1@2887.01,3199 2887.01,3226.86 v1(2948.13,3287.98) ; C118.1@2973,3731 2973,3745.92 v1(2987.5,3760.42) ; v1(2987.5,4114.76) 3019.75,4147 C129.1@3025.5,4147 ; C104.1@3037,4192 v1@3064.75,4192 ; C103.1@3038,4037 v1@3065.26,4037 ; v1(3066.24,3524.2) 3066.54,3524.5 C121.1@3106,3524.5 ; v1(3066.24,4193.5) 3088.24,4171.5 C144.1@3107,4171.5 ; v1@3067,4036.77 C127.1@3067,4065 ; v1(3105.61,3681.68) v1@3107.3,3680 ; v1(3105.61,4272.24) 3130.24,4272.24 C105.1@3131,4273 ; C138.1@3109,3647 3109,3678.3 v1@3107.3,3680 ; C119.1@3110,3351 3133.65,3327.35 v1(3144.98,3327.35) ; C120.1@3134,3680 v1@3107.3,3680 ; v1@3183,3525.56 v1(3184.35,3524.2) 3207.65,3547.5 C146.1@3227,3547.5 ; v1(3184.35,4154.13) 3185,4154.77 C106.1@3185,4200.5 ; C140.1@3195,3995 3196.65,3996.65 v1(3223.72,3996.65) 3231,4003.92 C128.1@3231,4032 ; C107.1@3209.99,4376 3209.99,4325.34 v1(3263.09,4272.24) ; C143.1@3300,4160 3335.96,4160 v1(3341.83,4154.13) ; v1(3302.46,3327.35) 3328.99,3300.82 C147.1@3328.99,3234 ; v1(3341.83,3839.17) 3342,3839 C132.1@3342,3811 ; v1(3381.2,3760.42) 3400,3779.22 C131.1@3400,3790 ; v1(3420.57,3721.05) 3425.13,3716.5 C136.1@3461,3716.5 ; C114.1@3458,3330 v1@3496.67,3330 ; C135.1@3460,3879.5 3498.35,3879.5 v1(3499.32,3878.54) ; C115.1@3464,3373 3499.32,3337.68 v1(3499.32,3327.35) ; v1(3499.32,3760.42) 3520,3781.11 C133.1@3520,3787 ; v1(3538.69,3839.17) 3538.69,3832.31 C134.1@3562,3809 ; C137.1@3566.99,4044 3566.99,3968.34 v1(3578.06,3957.28) ; C113.1@3628,3302 3631.44,3302 v1@3652.99,3323.55 ; C117.1@3652.99,3188 v1@3652.99,3323.55 ; v1(3656.8,3327.35) v1@3652.99,3323.55 ; C139.1@3700,3572 3727.11,3572 v1(3735.54,3563.57) ; v1(3735.54,3445.46) 3738,3447.93 C142.1@3738,3474 ; C125.1@3774,4191.5 3811.37,4154.13 v1(3814.28,4154.13) ; v1(3774.91,3681.68) 3776,3680.59 C110.1@3776,3653 ; C116.1@3776,3326.5 3813.42,3326.5 v1(3814.28,3327.35) ; C145.1@3814,4052.5 3837.16,4052.5 v1(3853.65,4036.02) 3879.66,4010 C123.1@3885,4010 ; C111.1@3815,3525.5 3852.35,3525.5 v1(3853.65,3524.2) ; v1(3853.65,3366.72) 3855,3368.08 C108.1@3855,3394 ; C141.1@3906,4114 v1@3931.63,4114 ; v1(3932.39,3445.46) 3961.84,3416.01 C112.1@4027,3416.01 ; v1(3932.39,3760.42) 3936,3756.81 C109.1@3936,3733 ; C124.1@3933,3929 v1@3933,3956.66 ; C148.1@3955.99,4411 3955.99,4327.37 v1(3971.76,4311.61) ; v1(3993,4109) 4017.99,4084.01 C126.1@4069,4084.01 ; v3(6382.39,5462.69) 6404,5441.08 6404,5425.5 ; C159.1@6509,5413.5 6509,5459.39 v3(6512.31,5462.69) ; v3(6555.61,5462.69) 6557,5461.31 C158.1@6557,5415.5